# Altium PCB arm_v1.PcbDoc (continued)
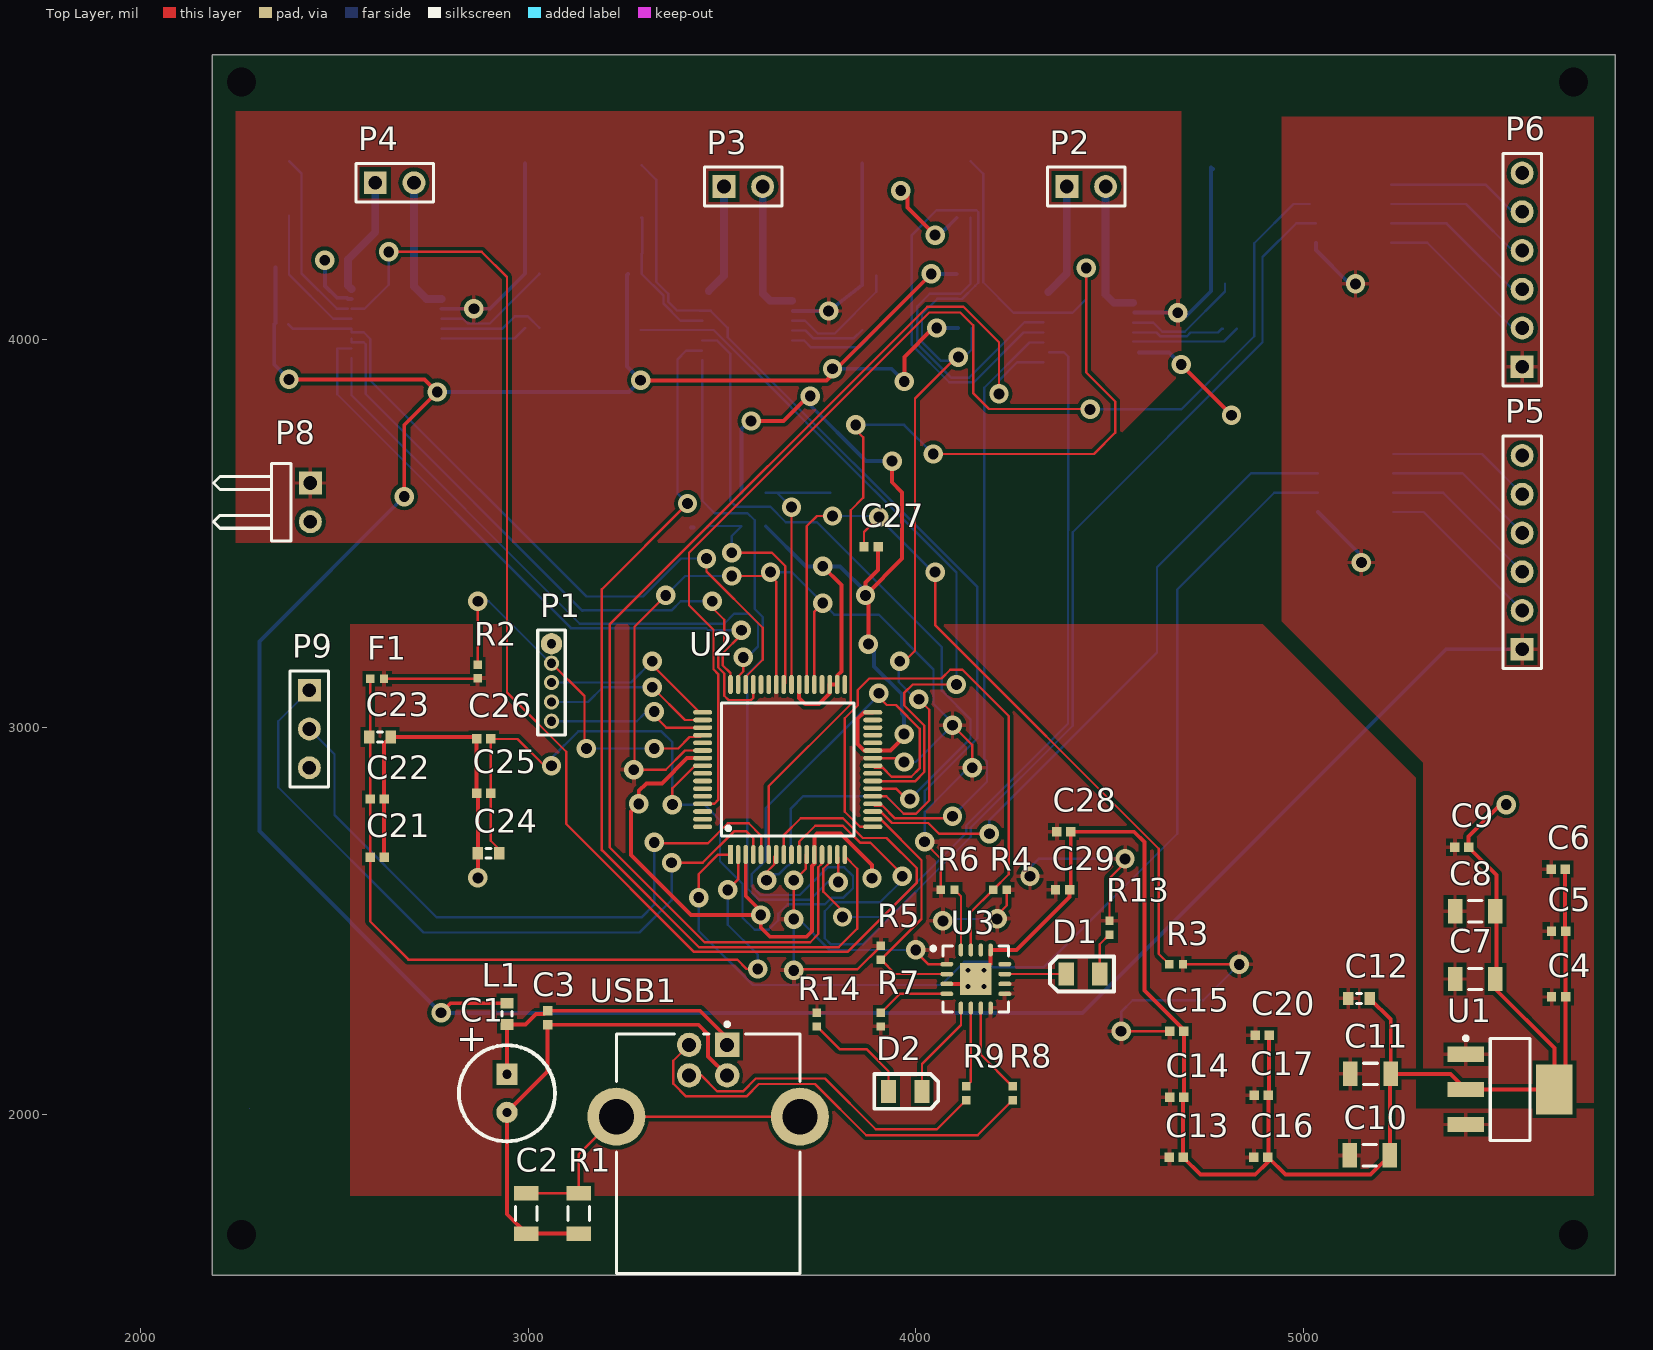
[diagram p0: Top Layer view]
## Part data
C1: library part 100uF_35v_6.3x12.5, "Capacitor 35v 100uF 6.3mm", Capacitance=100µF, ESR (Equivalent Series Resistance)=-, Lifetime @ Temp.="5000 Hrs @ 105°C", Manufacturer=Nichicon, Manufacturer Part Number=UHV1V101MED, Operating Temperature="-40°C ~ 105°C", Package / Case="Radial, Can", Ripple Current="220mA @ 120Hz", Supplier Part Number 1=493-13394-ND, Tolerance=±20%, Voltage Rating=35V, Applications="General Purpose", Category=Capacitors, ComponentLink1Description=http://nichicon-us.com/english/products/pdfs/e-uhv.pdf, ComponentLink1URL=http://nichicon-us.com/english/products/pdfs/e-uhv.pdf, Height - Seated (Max)="0.492\" (12.50mm)", Impedance="100 mOhm", Lead Spacing="0.098\" (2.50mm)", Mounting Type="Through Hole", Packaging=Bulk, Polarization=Polar, Pricing 1="1=0.46, 10=0.32, 25=0.262, 50=0.224, 100=0.1919, 250=0.15992, 500=0.14394, 1000=0.12155, 2500=0.11515 (CAD)", RoHS="RoHS Compliant", Size / Dimension="0.248\" Dia (6.30mm)", Stock 1=5561, Supplier 1=Digi-Key, Surface Mount Land Size=-
C2: library part 10nF_500V_1206, "CAP CER 10000PF 500V X7R 1206", Capacitance=10000pF, Manufacturer="Samsung Electro-Mechanics America, Inc", Manufacturer Part Number=CL31B103KGFNNNE, Operating Temperature="-55°C ~ 125°C", Package / Case="1206 (3216 Metric)", Ratings=-, Supplier Part Number 1=1276-3076-1-ND, Temperature Coefficient=X7R, Tolerance=±10%, Voltage - Rated=500V, Applications="General Purpose", Category=Capacitors, ComponentLink1Description=http://www.samsungsem.com/kr/front/downloadcms.do?path=/kr/support/product-search/mlcc/__icsFiles/afieldfile/2014/11/05&fileName=S_CL31B103KGFNNNE.pdf, ComponentLink1URL=http://www.samsungsem.com/kr/front/downloadcms.do?path=/kr/support/product-search/mlcc/__icsFiles/afieldfile/2014/11/05&fileName=S_CL31B103KGFNNNE.pdf, Features=-, Height - Seated (Max)=-, Lead Spacing=-, Lead Style=-, Mounting Type="Surface Mount, MLCC", Packaging="Cut Tape (CT)", Pricing 1="1=0.34, 10=0.28, 25=0.192, 100=0.1398, 500=0.09266, 1000=0.08216 (CAD)", RoHS="RoHS Compliant", Size / Dimension="0.126\" L x 0.063\" W (3.20mm x 1.60mm)", Stock 1=9075, Supplier 1=Digi-Key, Thickness (Max)="0.055\" (1.40mm)"
C3 C13 C16 C21: library part 10nF_50V_0402, "CAP CER 10000PF 50V 10% X7R 0402", Capacitance=10000pF, Manufacturer=Kemet, Manufacturer Part Number=C0402C103K5RACTU, Operating Temperature="-55°C ~ 125°C", Package / Case="0402 (1005 Metric)", Ratings=-, Supplier Part Number 1=399-3066-1-ND, Temperature Coefficient=X7R, Tolerance=±10%, Voltage - Rated=50V, Applications="General Purpose", Category=Capacitors, ComponentLink1Description=http://www.kemet.com/docfinder?Partnumber=C0402C103K5RACTU, ComponentLink1URL=http://www.kemet.com/docfinder?Partnumber=C0402C103K5RACTU, Features=-, Height - Seated (Max)=-, Lead Spacing=-, Lead Style=-, Mounting Type="Surface Mount, MLCC", Packaging="Cut Tape (CT)", Pricing 1="1=0.14, 10=0.037, 25=0.026, 50=0.0198, 100=0.0166, 250=0.01364, 1000=0.00893, 2500=0.00804, 5000=0.00744 (CAD)", RoHS="RoHS Compliant", Size / Dimension="0.039\" L x 0.020\" W (1.00mm x 0.50mm)", Stock 1=3556921, Supplier 1=Digi-Key, Thickness (Max)="0.022\" (0.55mm)"
C4 C14 C15 C17 C20 C22 C26 C27 C28 C29 C30 C31 C32 C33 C34 C35 C36 C37 C38 C39 C40 C41: library part 100nF_50V_0402, "CAP CER 100NF 50V 20% X5R 0402", Capacitance=0.1µF, Manufacturer="TDK Corporation", Manufacturer Part Number=C1005X5R1H104M050BB, Operating Temperature="-55°C ~ 85°C", Package / Case="0402 (1005 Metric)", Ratings=-, Supplier Part Number 1=445-5943-1-ND, Temperature Coefficient=X5R, Tolerance=±20%, Voltage - Rated=50V, Applications="General Purpose", Category=Capacitors, ComponentLink1Description=http://product.tdk.com/en/catalog/datasheets/mlcc_commercial_general_en.pdf, ComponentLink1URL=http://product.tdk.com/en/catalog/datasheets/mlcc_commercial_general_en.pdf, Features=-, Height - Seated (Max)=-, Lead Spacing=-, Lead Style=-, Mounting Type="Surface Mount, MLCC", Packaging="Cut Tape (CT)", Pricing 1="1=0.18, 10=0.122, 100=0.0579, 250=0.04872, 500=0.0408, 1000=0.03348, 5000=0.02831 (CAD)", RoHS="RoHS Compliant", Size / Dimension="0.039\" L x 0.020\" W (1.00mm x 0.50mm)", Stock 1=218263, Supplier 1=Digi-Key, Thickness (Max)="0.022\" (0.55mm)"
C5 C6: library part 2.2uF_10V_0402, "CAP CER 2.2UF 10V 20% X5R 0402", Capacitance=2.2µF, Manufacturer="Taiyo Yuden", Manufacturer Part Number=LMK105BJ225MV-F, Operating Temperature="-55°C ~ 85°C", Package / Case="0402 (1005 Metric)", Ratings=-, Supplier Part Number 1=587-3153-1-ND, Temperature Coefficient=X5R, Tolerance=±20%, Voltage - Rated=10V, Applications="General Purpose", Category=Capacitors, ComponentLink1Description=http://www.yuden.co.jp/ut/product/category/capacitor/LMK105BJ225MV-F.pdf, ComponentLink1URL=http://www.yuden.co.jp/ut/product/category/capacitor/LMK105BJ225MV-F.pdf, Features=-, Height - Seated (Max)=-, Lead Spacing=-, Lead Style=-, Mounting Type="Surface Mount, MLCC", Packaging="Cut Tape (CT)", Pricing 1="1=0.26, 10=0.173, 50=0.105, 100=0.0881, 250=0.07132, 500=0.0629, 1000=0.05348, 2500=0.04928, 5000=0.04509 (CAD)", RoHS="RoHS Compliant", Size / Dimension="0.039\" L x 0.020\" W (1.00mm x 0.50mm)", Stock 1=258065, Supplier 1=Digi-Key, Thickness (Max)="0.022\" (0.55mm)"
C7 C8 C10 C11: library part 100uF_6.3v_1206_X5R, "CAP CER 100UF 6.3V X5R 1206", Capacitance=100µF, Manufacturer="Murata Electronics North America", Manufacturer Part Number=GRM31CR60J107ME39L, Operating Temperature="-55°C ~ 85°C", Package / Case="1206 (3216 Metric)", Ratings=-, Supplier Part Number 1=490-4539-1-ND, Temperature Coefficient=X5R, Tolerance=±20%, Voltage - Rated=6.3V, Applications="General Purpose", Category=Capacitors, ComponentLink1Description=http://www.murata.com/~/media/webrenewal/support/library/catalog/products/capacitor/mlcc/c02e.pdf, ComponentLink1URL=http://www.murata.com/~/media/webrenewal/support/library/catalog/products/capacitor/mlcc/c02e.pdf, Features=-, Height - Seated (Max)=-, Lead Spacing=-, Lead Style=-, Mounting Type="Surface Mount, MLCC", Packaging="Cut Tape (CT)", Pricing 1="1=1.23, 10=1.048, 50=0.771, 100=0.6128, 250=0.51396, 500=0.46456, 1000=0.42502 (CAD)", RoHS="RoHS Compliant", Size / Dimension="0.126\" L x 0.063\" W (3.20mm x 1.60mm)", Stock 1=450179, Supplier 1=Digi-Key, Thickness (Max)="0.071\" (1.80mm)"
C9 C25: library part 1uF_25V_0402, "CAP CER 1UF 25V 10% X5R 0402", Capacitance=1µF, Manufacturer="TDK Corporation", Manufacturer Part Number=C1005X5R1E105K050BC, Operating Temperature="-55°C ~ 85°C", Package / Case="0402 (1005 Metric)", Ratings=-, Supplier Part Number 1=445-9066-1-ND, Temperature Coefficient=X5R, Tolerance=±10%, Voltage - Rated=25V, Applications="General Purpose", Category=Capacitors, ComponentLink1Description=http://product.tdk.com/en/catalog/datasheets/mlcc_commercial_general_en.pdf, ComponentLink1URL=http://product.tdk.com/en/catalog/datasheets/mlcc_commercial_general_en.pdf, Features=-, Height - Seated (Max)=-, Lead Spacing=-, Lead Style=-, Mounting Type="Surface Mount, MLCC", Packaging="Cut Tape (CT)", Pricing 1="1=0.27, 10=0.185, 100=0.0878, 250=0.074, 500=0.06196, 1000=0.05087, 5000=0.04301 (CAD)", RoHS="RoHS Compliant", Size / Dimension="0.039\" L x 0.020\" W (1.00mm x 0.50mm)", Stock 1=310467, Supplier 1=Digi-Key, Thickness (Max)="0.022\" (0.55mm)"
C12 C23: library part 10uF_10V_0603, "CAP CER 10UF 10V 20% X5R 0603", Capacitance=10µF, Manufacturer="Taiyo Yuden", Manufacturer Part Number=LMK107BBJ106MAHT, Operating Temperature="-55°C ~ 85°C", Package / Case="0603 (1608 Metric)", Ratings=AEC-Q200, Supplier Part Number 1=587-3412-1-ND, Temperature Coefficient=X5R, Tolerance=±20%, Voltage - Rated=10V, Applications=Automotive, Category=Capacitors, ComponentLink1Description=http://www.yuden.co.jp/productdata/catalog/en/mlcc01_hq_e.pdf, ComponentLink1URL=http://www.yuden.co.jp/productdata/catalog/en/mlcc01_hq_e.pdf, Features=-, Height - Seated (Max)=-, Lead Spacing=-, Lead Style=-, Mounting Type="Surface Mount, MLCC", Packaging="Cut Tape (CT)", Pricing 1="1=0.5, 10=0.437, 50=0.266, 100=0.2189, 250=0.17516, 500=0.15952, 1000=0.14107 (CAD)", RoHS="RoHS Compliant", Size / Dimension="0.063\" L x 0.031\" W (1.60mm x 0.80mm)", Stock 1=90195, Supplier 1=Digi-Key, Thickness (Max)="0.035\" (0.90mm)"
C18 C19: library part 13pF_50V_0402, "CAP CER 13PF 50V 5% NP0 0402", Manufacturer="Samsung Electro-Mechanics America, Inc", Manufacturer Part Number=CL05C130JB5NNNC, Operating Temperature="-55°C ~ 125°C", Package / Case="0402 (1005 Metric)", Ratings=-, Supplier Part Number 1=1276-1642-1-ND, Temperature Coefficient="C0G, NP0", Tolerance=±5%, Voltage - Rated=50V, Applications="General Purpose", Capacitance=13pF, Category=Capacitors, ComponentLink1Description=http://www.samsungsem.com/kr/front/downloadcms.do?path=/kr/support/product-search/mlcc/__icsFiles/afieldfile/2014/11/05&fileName=S_CL05C130JB5NNNC.pdf, ComponentLink1URL=http://www.samsungsem.com/kr/front/downloadcms.do?path=/kr/support/product-search/mlcc/__icsFiles/afieldfile/2014/11/05&fileName=S_CL05C130JB5NNNC.pdf, Features=-, Height - Seated (Max)=-, Lead Spacing=-, Lead Style=-, Mounting Type="Surface Mount, MLCC", Packaging="Cut Tape (CT)", Pricing 1="1=0.14, 10=0.064, 25=0.0448, 100=0.0291, 500=0.02032, 1000=0.01583, 2500=0.01425, 5000=0.01319 (CAD)", RoHS="RoHS Compliant", Size / Dimension="0.039\" L x 0.020\" W (1.00mm x 0.50mm)", Stock 1=16490, Supplier 1=Digi-Key, Thickness (Max)="0.022\" (0.55mm)"
C24: library part 2.2uF_35V_0603, "CAP CER 2.2UF 35V 10% X5R 0603", Capacitance=2.2µF, Manufacturer="Murata Electronics North America", Manufacturer Part Number=GRM188R6YA225KA12D, Operating Temperature="-55°C ~ 85°C", Package / Case="0603 (1608 Metric)", Ratings=-, Supplier Part Number 1=490-7204-1-ND, Temperature Coefficient=X5R, Tolerance=±10%, Voltage - Rated=35V, Applications="General Purpose", Category=Capacitors, ComponentLink1Description=http://www.murata.com/~/media/webrenewal/support/library/catalog/products/capacitor/mlcc/c02e.ashx, ComponentLink1URL=http://www.murata.com/~/media/webrenewal/support/library/catalog/products/capacitor/mlcc/c02e.ashx, Features=-, Height - Seated (Max)=-, Lead Spacing=-, Lead Style=-, Mounting Type="Surface Mount, MLCC", Packaging="Cut Tape (CT)", Pricing 1="1=0.31, 10=0.214, 50=0.1298, 100=0.109, 250=0.08832, 500=0.07792, 1000=0.06624 (CAD)", RoHS="RoHS Compliant", Size / Dimension="0.063\" L x 0.031\" W (1.60mm x 0.80mm)", Stock 1=55248, Supplier 1=Digi-Key, Thickness (Max)="0.031\" (0.80mm)"
D1 D2: library part "TOPLED 0803", "LED TOPLED 630NM SUP RED CLR SMD", Color=Red, Current - Test=2mA, Luminous Flux @ Current - Test="25 mlm", Manufacturer="OSRAM Opto Semiconductors Inc", Manufacturer Part Number="LS M67K-H2L1-1-Z", Millicandela Rating=8.78mcd, Package / Case="2-SMD, J-Lead", Supplier Part Number 1=475-2510-1-ND, Voltage - Forward (Vf) (Typ)=1.8V, Category=Optoelectronics, ComponentLink1Description=http://media.digikey.com/pdf/Data%20Sheets/Osram%20PDFs/LS,LO,LY_M67K.pdf, ComponentLink1URL=http://media.digikey.com/pdf/Data%20Sheets/Osram%20PDFs/LS,LO,LY_M67K.pdf, Height=1.30mm, Lens Style/Size="Rectangle with Flat Top, 1.5mm x 1mm", Lens Type=Clear, Mounting Type="Surface Mount", Packaging="Cut Tape (CT)", Pricing 1="1=0.19, 10=0.162, 100=0.1295, 250=0.11328, 500=0.10354 (CAD)", RoHS="RoHS Compliant", Size / Dimension="2.20mm L x 1.40mm W", Stock 1=23262, Supplier 1=Digi-Key, Viewing Angle=120°, Wavelength - Dominant=630nm, Wavelength - Peak=643nm
F1: library part 40O_550mA_0402, "FERRITE CHIP 40 OHM 550MA 0402", DC Resistance (DCR)="120 mOhm Max", Impedance @ Frequency="40 Ohm @ 100MHz", Manufacturer="TDK Corporation", Manufacturer Part Number=MMZ1005Y400CT000, Package / Case="0402 (1005 Metric)", Supplier Part Number 1=445-2150-1-ND, Category=Filters, ComponentLink1Description=http://product.tdk.com/emc/beads/en/documents/beads_commercial_signal_mmz_en.pdf, ComponentLink1URL=http://product.tdk.com/emc/beads/en/documents/beads_commercial_signal_mmz_en.pdf, Current Rating=550mA, Filter Type="Differential Mode - Single", Height (Max)="0.022\" (0.55mm)", Mounting Type="Surface Mount", Packaging="Cut Tape (CT)", Pricing 1="1=0.14, 10=0.099, 100=0.059, 250=0.04284, 500=0.03928, 1000=0.03393, 5000=0.02679 (CAD)", RoHS="RoHS Compliant", Size / Dimension="0.039\" L x 0.020\" W (1.00mm x 0.50mm)", Stock 1=1706, Supplier 1=Digi-Key
L1: library part "Ferrite_200 ohms_2A", "FILTER CHIP 220 OHM 2A 0603", Current Rating=2A, DC Resistance (DCR)="50 mOhm Max", Impedance @ Frequency="220 Ohm @ 100MHz", Manufacturer="Murata Electronics North America", Manufacturer Part Number=BLM18EG221SN1D, Package / Case="0603 (1608 Metric)", Supplier Part Number 1=490-3992-1-ND, Category=Filters, ComponentLink1Description=http://search.murata.co.jp/Ceramy/image/img/PDF/ENG/L0110S0101BLM18E.pdf, ComponentLink1URL=http://search.murata.co.jp/Ceramy/image/img/PDF/ENG/L0110S0101BLM18E.pdf, Filter Type="Differential Mode - Single", Height (Max)="0.037\" (0.95mm)", Mounting Type="Surface Mount", Packaging="Cut Tape (CT)", Pricing 1="1=0.33, 10=0.254, 50=0.1814, 100=0.1632, 250=0.13784, 500=0.12332, 1000=0.10519 (CAD)", RoHS="RoHS Compliant", Size / Dimension="0.063\" L x 0.031\" W (1.60mm x 0.80mm)", Stock 1=382631, Supplier 1=Digi-Key
P1: "Header, 5-Pin", LatestRevisionDate=17-Jul-2002, LatestRevisionNote="Re-released for DXP Platform.", Publisher="Altium Limited"
P2 P3 P4: library part "Header 2", "Header, 2-Pin", LatestRevisionDate=17-Jul-2002, LatestRevisionNote="Re-released for DXP Platform.", Publisher="Altium Limited"
P5 P6: library part "Header 6", "Header, 6-Pin", LatestRevisionDate=17-Jul-2002, LatestRevisionNote="Re-released for DXP Platform.", Publisher="Altium Limited"
P8: library part "Header 2H", "Header, 2-Pin, Right Angle", LatestRevisionDate=17-Jul-2002, LatestRevisionNote="Re-released for DXP Platform.", Publisher="Altium Limited"
P9: "Header, 3-Pin", LatestRevisionDate=17-Jul-2002, LatestRevisionNote="Re-released for DXP Platform.", Publisher="Altium Limited"
R1: library part 1M_5%_1206, "RES SMD 1M OHM 5% 1/4W 1206", Manufacturer="Panasonic Electronic Components", Manufacturer Part Number=ERJ-8GEYJ105V, Operating Temperature="-55°C ~ 155°C", Package / Case="1206 (3216 Metric)", Power (Watts)="0.25W, 1/4W", Supplier Device Package=1206, Supplier Part Number 1=P1.0MECT-ND, Temperature Coefficient=±200ppm/°C, Tolerance=±5%, Category=Resistors, ComponentLink1Description=http://industrial.panasonic.com/www-cgi/jvcr13pz.cgi?E+PZ+3+AOA0001+ERJ8GEYJ105V+7+WW, ComponentLink1URL=http://industrial.panasonic.com/www-cgi/jvcr13pz.cgi?E+PZ+3+AOA0001+ERJ8GEYJ105V+7+WW, Composition="Thick Film", Features="Automotive AEC-Q200", Height="0.028\" (0.70mm)", Number of Terminations=2, Packaging="Cut Tape (CT)", Pricing 1="1=0.14, 50=0.038, 100=0.029, 250=0.02152, 500=0.01588, 1000=0.01059, 2500=0.00894 (CAD)", Resistance (Ohms)=1M, RoHS="RoHS Compliant", Size / Dimension="0.126\" L x 0.063\" W (3.20mm x 1.60mm)", Stock 1=165352, Supplier 1=Digi-Key
R2 R3 R4 R5 R6 R7: library part 10k_1%_0402, "RES SMD 10K OHM 1% 1/10W 0402", Manufacturer="Panasonic Electronic Components", Manufacturer Part Number=ERJ-2RKF1002X, Operating Temperature="-55°C ~ 155°C", Package / Case="0402 (1005 Metric)", Power (Watts)="0.1W, 1/10W", Supplier Device Package=0402, Supplier Part Number 1=P10.0KLCT-ND, Temperature Coefficient=±100ppm/°C, Tolerance=±1%, Category=Resistors, ComponentLink1Description=http://industrial.panasonic.com/www-cgi/jvcr13pz.cgi?E+PZ+3+AOA0002+ERJ2RKF1002X+7+WW, ComponentLink1URL=http://industrial.panasonic.com/www-cgi/jvcr13pz.cgi?E+PZ+3+AOA0002+ERJ2RKF1002X+7+WW, Composition="Thick Film", Features="Automotive AEC-Q200", Height="0.016\" (0.40mm)", Number of Terminations=2, Packaging="Cut Tape (CT)", Pricing 1="1=0.14, 50=0.0282, 100=0.0215, 250=0.01592, 500=0.01176, 1000=0.00784, 5000=0.00551 (CAD)", Resistance (Ohms)=10k, RoHS="RoHS Compliant", Size / Dimension="0.039\" L x 0.020\" W (1.00mm x 0.50mm)", Stock 1=5818216, Supplier 1=Digi-Key
R8 R9: library part 27_1%_0402, "RES SMD 27 OHM 1% 1/10W 0402", Manufacturer="Panasonic Electronic Components", Manufacturer Part Number=ERJ-2RKF27R0X, Operating Temperature="-55°C ~ 155°C", Package / Case="0402 (1005 Metric)", Power (Watts)="0.1W, 1/10W", Supplier Device Package=0402, Supplier Part Number 1=P27.0LCT-ND, Temperature Coefficient=±100ppm/°C, Tolerance=±1%, Category=Resistors, ComponentLink1Description=http://industrial.panasonic.com/www-cgi/jvcr13pz.cgi?E+PZ+3+AOA0002+ERJ2RKF27R0X+7+WW, ComponentLink1URL=http://industrial.panasonic.com/www-cgi/jvcr13pz.cgi?E+PZ+3+AOA0002+ERJ2RKF27R0X+7+WW, Composition="Thick Film", Features="Automotive AEC-Q200", Height="0.016\" (0.40mm)", Number of Terminations=2, Packaging="Cut Tape (CT)", Pricing 1="1=0.16, 50=0.0234, 100=0.0171, 250=0.01308, 500=0.01048, 1000=0.00771, 5000=0.00553 (CAD)", Resistance (Ohms)=27, RoHS="RoHS Compliant", Size / Dimension="0.039\" L x 0.020\" W (1.00mm x 0.50mm)", Stock 1=490131, Supplier 1=Digi-Key
R13 R14: library part 120_1%_0402, "RES SMD 120 OHM 1% 1/10W 0402", Manufacturer="Panasonic Electronic Components", Manufacturer Part Number=ERJ-2RKF1200X, Operating Temperature="-55°C ~ 155°C", Package / Case="0402 (1005 Metric)", Power (Watts)="0.1W, 1/10W", Supplier Device Package=0402, Supplier Part Number 1=P120LCT-ND, Temperature Coefficient=±100ppm/°C, Tolerance=±1%, Category=Resistors, ComponentLink1Description=http://industrial.panasonic.com/www-cgi/jvcr13pz.cgi?E+PZ+3+AOA0002+ERJ2RKF1200X+7+WW, ComponentLink1URL=http://industrial.panasonic.com/www-cgi/jvcr13pz.cgi?E+PZ+3+AOA0002+ERJ2RKF1200X+7+WW, Composition="Thick Film", Features="Automotive AEC-Q200", Height="0.016\" (0.40mm)", Number of Terminations=2, Packaging="Cut Tape (CT)", Pricing 1="1=0.14, 50=0.0282, 100=0.0215, 250=0.01592, 500=0.01176, 1000=0.00784, 5000=0.00551 (CAD)", Resistance (Ohms)=120, RoHS="RoHS Compliant", Size / Dimension="0.039\" L x 0.020\" W (1.00mm x 0.50mm)", Stock 1=184236, Supplier 1=Digi-Key
R15 R16 R17 R18 R19 R20 R21 R22 R23 R24 R25 R26: library part 0_0402, "RES SMD 0 OHM JUMPER 1/16W 0402", Manufacturer=Yageo, Manufacturer Part Number=RC0402FR-070RL, Operating Temperature="-55°C ~ 155°C", Package / Case="0402 (1005 Metric)", Power (Watts)="0.063W, 1/16W", Supplier Device Package=0402, Supplier Part Number 1=311-0.0LRCT-ND, Temperature Coefficient=-, Tolerance=Jumper, Category=Resistors, ComponentLink1Description=http://www.yageo.com/documents/recent/PYu-RC_Group_51_RoHS_L_8.pdf, ComponentLink1URL=http://www.yageo.com/documents/recent/PYu-RC_Group_51_RoHS_L_8.pdf, Composition="Thick Film", Failure Rate=-, Features="Moisture Resistant", Height - Seated (Max)="0.016\" (0.40mm)", Packaging="Cut Tape (CT)", Part Status=Active, Pricing 1="1=0.14, 10=0.017, 25=0.012, 50=0.009, 100=0.0068, 250=0.00516, 500=0.00414, 1000=0.00305, 5000=0.00219 (CAD)", RoHS="RoHS Compliant", Size / Dimension="0.039\" L x 0.020\" W (1.00mm x 0.50mm)", Stock 1=548262, Supplier 1=Digi-Key
U1: "500 mA, Low Voltage, Low Quiescent Current LDO Regulator", Current - Limit (Min)=-, Current - Output=500mA, Manufacturer="Microchip Technology", Operating Temperature="-40°C ~ 125°C", Package / Case="TO-261-4, TO-261AA", Supplier Device Package=SOT-223-3, Supplier Part Number 1=MCP1825S-3302E/DB-ND, Voltage - Dropout (Typical)="0.21V @ 500mA", Voltage - Input="Up to 6V", Voltage - Output=3.3V, Category="Integrated Circuits (ICs)", ComponentLink1Description=http://www.microchip.com/mymicrochip/filehandler.aspx?ddocname=en531698, ComponentLink1URL=http://www.microchip.com/mymicrochip/filehandler.aspx?ddocname=en531698, Manufacturer Part Number=MCP1825S-3302E/DB, Mounting Type="Surface Mount", Number of Regulators=1, Packaging=Tube, Pricing 1="1=0.61, 10=0.51, 25=0.43, 100=0.39 (USD)", Regulator Topology="Positive Fixed", RoHS="RoHS Compliant", Stock 1=5172, Supplier 1=Digi-Key
U2: "Tiva TM4C123GH6PM Microcontroller ARM Cortex 80 MHz FPU", Supplier Part Number 1=296-35848-ND, Supplier 1=Digi-Key
U3: library part FT230XQ-R, "IC USB SERIAL BASIC UART 16QFN", Current - Supply=8mA, Manufacturer="FTDI, Future Technology Devices International Ltd", Operating Temperature="-40°C ~ 85°C", Package / Case="16-WQFN Exposed Pad", Supplier Device Package="16-QFN (4x4)", Supplier Part Number 1=768-1130-1-ND, Voltage - Supply="3.3 V ~ 5 V", Category="Integrated Circuits (ICs)", ComponentLink1Description=http://www.ftdichip.com/Support/Documents/DataSheets/ICs/DS_FT230X.pdf, ComponentLink1URL=http://www.ftdichip.com/Support/Documents/DataSheets/ICs/DS_FT230X.pdf, Function="Bridge, USB to UART", Interface=UART, Manufacturer Part Number=FT230XQ-R, Packaging="Cut Tape (CT)", Pricing 1="1=2.64, 25=2.5508, 100=2.4601, 250=2.21412, 500=1.994, 1000=1.89042, 2500=1.86128 (CAD)", Protocol=USB, RoHS="RoHS Compliant", Standards="USB 2.0", Stock 1=7567, Supplier 1=Digi-Key
U4 U5 U6: library part DRV8876QPWPRQ1, "No Description Available", Built_By=EMA_Matt, Copyright="Copyright (C) 2018 Accelerated Designs. All rights reserved", Datasheet=https://www.ti.com/lit/ds/symlink/drv8876-q1.pdf?ts=1593552747152&ref_url=https%253A%252F%252Fwww.ti.com%252Fproduct%252FDRV8876-Q1, Manufacturer_Part_Number=DRV8876QPWPRQ1, RefDes=RefDes, SourceLibrary=TI_2020-07-01, Type=DEV, Vendor="Texas Instruments"
U7 U8: library part SN75LBC179D, "Low-Power Differential Line Driver And Receiver Pair", Manufacturer="Texas Instruments", PACKAGE_DESIGNATOR=D, Copyright="Copyright (C) 2018 Accelerated Designs. All rights reserved", Datasheet_URL=http://www.ti.com/lit/gpn/SN75LBC179, FAMILY_NAME=RS-485, GENERIC_PART_NUMBER=SN75LBC179, INDUSTRY_STD_PKG_TYPE=SOIC, Manufacturer_Part_Number=SN75LBC179D, PIN_COUNT=8, RefDes=RefDes, Type=DEV, Vendor="Texas Instruments"
USB1: library part "MOLEX 0670688010", Supplier Part Number 1=WM4064-ND, Supplier 1=Digi-Key
X1: library part 403C35E16M00000, "CRYSTAL 16MHZ 20PF SMD", ESR (Equivalent Series Resistance)="80 Ohm", Frequency=16MHz, Frequency Stability=±50ppm, Frequency Tolerance=±30ppm, Load Capacitance=20pF, Manufacturer="CTS-Frequency Controls", Operating Mode=Fundamental, Operating Temperature="-20°C ~ 70°C", Package / Case="4-SMD, No Lead (DFN, LCC)", Ratings=-, Supplier Part Number 1=CTX1293CT-ND, Category="Crystals and Oscillators", ComponentLink1Description=http://www.ctscorp.com/components/Datasheets/008-0288-0_F.pdf, ComponentLink1URL=http://www.ctscorp.com/components/Datasheets/008-0288-0_F.pdf, Height="0.031\" (0.80mm)", Manufacturer Part Number=403C35E16M00000, Mounting Type="Surface Mount", Packaging="Cut Tape (CT)", Pricing 1="1=1.07, 10=0.95, 50=0.8866, 100=0.7847, 500=0.7415, 750=0.70228, 1000=0.61988 (CAD)", RoHS="RoHS Compliant", Size / Dimension="0.126\" L x 0.098\" W (3.20mm x 2.50mm)", Stock 1=7029, Supplier 1=Digi-Key, Type="MHz Crystal"

## Free pads (board coordinates)
  round 60 hole 75: 2(2260,4665) 3(2260,1690) 4(5697.91,4665) 5(5697.91,1690)

## Via types
v1: diameter 50, hole 28, Top Layer to Bottom Layer, 91 vias

## Nets (pads, with @x,y where several pads share a name; then routed paths per layer and width w, separated by ;. In a path a pad name is that pad's centre, name@x,y a point inside that pad or via, vN(x,y) a via of type N, cw(c..) or ccw(c..) an arc to the next point about the centre after c; other vN are vias at no path point)
+3.3V: C10.1 C11.1 C12.1 C13.2 C14.2 C15.2 C16.2 C17.2 C20.2 C28.2 C29.2 F1.1 R2.1 R3.1 R4.2 R5.2 R6.2 R7.2 R13.2 R14.2 U1.3 U2.11 U2.26 U2.37 U2.42 U2.54 U3.1 U3.8 U3.9 U3.10 | length 5585.9
  Top Layer w6: F1.1 2868.68,3124.48 R2.1 ; v1(3272.35,2889.99) v1@3273.99,2889.99 ; v1(3355,3340) 3273.99,3258.99 v1@3273.99,2889.99 ; U2.54 3404.72,2939.72 3354.99,2889.99 v1@3273.99,2889.99 ; v1(3525,3390) 3615,3390 v1@3620,3395 ; v1(3625,3400) v1@3620,3395 ; U2.42 3640,3375 v1@3620,3395 ; v1(3685.07,2372.33) 3685.07,2375.07 3849.64,2375.07 R5.2 ; v1(3685.07,2504.53) v1(3685.07,2604.93) ; v1@3700,2604 3700,2617.99 3716.07,2634.06 3716.07,2671.02 U2.11 ; U2.37 3738.43,3298.43 v1(3760,3320) ; U2.26 3980.04,2920.04 v1(3970,2910) ; v1@3997.5,2422.5 4031.61,2388.39 U3.1 ; v1(4023,2704.06) 4023,2702 4064.57,2660.43 R6.2 ; v1(4095,3005) 4145.78,2954.22 v1(4145.78,2895.19) ; v1(4210,2505) 4210,2515 4235,2540 R4.2 ; R13.2 4500,2610 4540,2650 v1(4540,2660) ; v1(4530,2215) C15.2 ; R3.1 v1(4835,2387.8)
  Bottom Layer w6: v1(3355,3340) 3405.04,3390.04 3516.96,3390.04 3525,3382 v1(3525,3390) ; v1(3625,3400) 3680,3400 v1(3760,3320) 3790,3290 3905,3290 4046,3149 4046,3060.32 4095,3011.32 v1(4095,3005) 4000,2910 v1(3970,2910) ; v1(3685.07,2372.33) v1(3685.07,2504.53) 3697.97,2504.53 3777.5,2425 v1(4000,2425) ; v1(4023,2704.06) 4023,2781.77 4136.42,2895.19 v1(4145.78,2895.19) ; v1(4070,2500) 4075,2505 v1(4210,2505) ; v1(4295,2615) 4295,2638 4317,2660 v1(4540,2660) ; v1(4530,2215) 4530,2265 4560,2295 4742.2,2295 v1(4835,2387.8)
+5V: C4.2 C5.2 C6.2 C7.1 C8.1 C9.2 L1.2 P5.1 P6.1 R15.2 R17.1 R19.1 R21.1 R23.1 R25.1 U1.1 U7.1 U8.1 | length 8550.4
  Top Layer w10: v1(2382.72,3897.28) 2732.72,3897.28 v1(2765,3865) 2680,3780 v1(2680,3595) ; v1(2775,2262.72) 2799.84,2287.56 L1.2 ; v1(3290,3895) 3770,3895 3785,3910 v1(3785,3925) 3795.43,3925 v1(4040,4169.57) ; v1(3970.5,3892) 3970.5,3955.5 4045,4030 v1(4054.24,4030)
  Bottom Layer w10: R25.1 2347.29,4042.72 R23.1 2344.57,3935.43 v1(2382.72,3897.28) ; v1(2680,3595) 2306.26,3221.26 2306.26,2731.45 v1(2775,2262.72) 4430.08,2262.72 5368.37,3201.01 P5.1 ; v1(2765,3865) 3260,3865 v1(3290,3895) 3254.57,3930.43 R19.1 3254.57,4166.45 R21.1 ; v1(3785,3925) 3937.5,3925 v1(3970.5,3892) ; v1(4040,4169.57) 4040.16,4169.41 R17.1 ; v1(4054.24,4030) R15.2 ; U8.1 5033,4231 5120,4144 v1(5135,4144) ; U7.1 5143,3450
  other v1: 5150,3425
+24V: C31.2 C32.2 C33.2 C35.2 C36.2 C37.2 C39.2 C40.2 C41.2 P8.1 U4.11 U5.11 U6.11 | length 1602.3
  Bottom Layer w10: U6.11 v1(2859.57,4079.57) 2901.46,4079.57 C39.2 C40.2 C41.2 ; U5.11@3683.4,4074 v1(3775,4074) 3861.89,4140.87 C35.2 C36.2 C37.2 ; U4.11@4564.11,4069.57 v1(4676.25,4069.57) 4696.89,4060 4761.89,4125 4761.89,4145 C33.2@4761.89,4440 ; C33.2 C33.2@4766.89,4440
+A3.3V: C21.2 C22.2 C23.2 F1.2 U2.2 | length 2015.1
  Top Layer w6: F1.2 2592.28,2976.88 2591.89,2976.49 C22.2 C21.2 2591.89,2498.78 2690.67,2400 3539.43,2400 3563.56,2375.86 v1(3592.12,2375.86) ; v1(3515,2580) 3541.57,2606.57 U2.2
  Bottom Layer w6: v1(3515,2580) 3515,2490 3592.12,2412.88 v1(3592.12,2375.86)
CLK1_A: P5.4 U7.6 | length 396.8
  Bottom Layer w6: U7.6 5411.01,3655 P5.4
CLK1_B: P6.4 U8.6 | length 398.1
  Bottom Layer w6: U8.6 5420,4350 P6.4@5565,4205
CLK2_A: P5.5 U7.5 | length 376.1
  Bottom Layer w6: U7.5 5461.01,3705 P5.5
CLK2_B: P6.5 U8.5 | length 377.4
  Bottom Layer w6: U8.5 5470,4400 P6.5@5565,4305
CLK_A: U2.19 U7.3 | length 1722.2
  Top Layer w6: U2.19 3909.11,2782.24 3938.88,2752.48 4032.52,2752.48 4060,2725 v1(4190,2725)
  Bottom Layer w6: v1(4190,2725) 4179.48,2725 4190,2735.52 4190,2760 4622.65,3192.65 4622.65,3412.65 4865,3655 U7.3
CLK_B: U2.61 U8.3 | length 3137.8
  Top Layer w6: U2.61 3480,2801.93 3490,2811.93 3490,3137.32 3478,3149.32 3478,3251.26 3415,3314.26 3415,3450 4035,4070 4115,4070 4148,4037 4148,3862 4189,3821 v1@4450,3821
  Bottom Layer w6: v1(4450,3820) 4685,3820 4873.82,4008.82 4873.82,4248.82 4975,4350 U8.3@5017,4350
DATA1_A: P5.2 U7.8 | length 438.2
  Bottom Layer w6: U7.8 5311.01,3555 P5.2
DATA1_B: P6.2 U8.8 | length 439.5
  Bottom Layer w6: U8.8 5320,4250 P6.2@5565,4005
DATA2_A: P5.3 U7.7 | length 417.5
  Bottom Layer w6: U7.7 5361.01,3605 P5.3
DATA2_B: P6.3 U8.7 | length 418.8
  Bottom Layer w6: U8.7 5370,4300 P6.3@5565,4105
DATA_A: U2.1 U7.2 | length 2812.6
  Top Layer w6: v1(3440,2560) 3440,2621 3490.02,2671.02 U2.1
  Bottom Layer w6: v1(3440,2560) 3440,2474.24 3579.91,2334.33 4065.58,2334.33 4125.57,2394.32 4185.29,2394.32 4199.61,2380 4330,2380 4675,2725 4675,3355 4925,3605 U7.2
DATA_B: U2.10 U8.2 | length 3166.2
  Top Layer w6: U2.10 3699.06,2704.06 3740.71,2745.71 3812.42,2745.71 3856.13,2702 3882.74,2702 3965,2619.74 v1(3965,2615)
  Bottom Layer w6: v1(3965,2615) 3965,2605 3908,2548 3788,2548 3765,2525 3765,2455 3780,2440 3865,2440 4142,2717 4142,2740.74 4405,3003.74 4405,3503 4895,3993 4895,4213 4982,4300 U8.2
DM: R8.1 USB1.2 | length 1112
  Top Layer w6: USB1.2 3374,2139 3374,2080 3407,2047 3563,2047 3595,2079 3740,2079 3872,1947 4159.72,1947 R8.1
DP: R9.1 USB1.3 | length 831.2
  Top Layer w6: USB1.3 3446.74,2101.26 3488,2060 3554,2060 3587,2093 3766,2093 3897,1962 4054.72,1962 R9.1
GND: C1.2 C2.1 C3.1 C4.1 C5.1 C6.1 C7.2 C8.2 C9.1 C10.2 C11.2 C12.2 C13.1 C14.1 C15.1 C16.1 C17.1 C18.1 C19.1 C20.1 C21.1 C22.1 C23.1 C24.1 C25.1 C26.1 C27.1 C28.1 C29.1 C32.1 C33.1 C36.1 C37.1 C40.1 C41.1 P1.1 P5.6 P6.6 P8.2 P9.3 R1.1 R16.2 R18.2 R20.2 R22.2 R24.2 R26.2 U1.2 U1.4 U2.3 U2.12 U2.27 U2.32 U2.34 U2.35 U2.39 U2.55 U3.3 U3.13 U3.17 U4.7 U4.9 U4.15 U4.16 U5.7 U5.9 U5.15 U5.16 U6.7 U6.9 U6.15 U6.16 U7.4 U8.4 USB1.4 X1.2 X1.4 | length 12084
  Top Layer w10: C21.1 C22.1 2628.11,2957.59 C23.1 2861.89,2974.48 C26.1 C25.1 2869.88,2826.49 C24.1 v1(2869.88,2610.92) ; R1.1 C2.1 2945,1742.84 C1.2 2945,2006.27 3050,2111.27 C3.1 3439.06,2231.89 3464.21,2206.74 3464.21,2150.47 USB1.4 ; U2.55 3410.04,2920.04 3345,2855 3305,2855 3285,2835 v1(3285,2801.93) 3265,2781.93 3265,2670 3420,2515 v1(3600,2515) ; U2.3 3561.26,2563.74 3600,2525 v1(3600,2515) ; v1(3575,3790) 3659.14,3790 3723.24,3854.1 v1(3727.72,3854.1) ; U2.39 3699.06,3075.63 3714.69,3060 3750.72,3060 3777.8,3087.08 U2.35 U2.34 3797.48,3132.92 3808.31,3143.75 3808.31,3366.69 v1(3760,3415) ; v1(3877.86,3214.1) 3877.86,3332.45 v1(3870.32,3340) ; v1(3887,2610) 3887,2644.06 3806.06,2725 3745,2725 3738.43,2718.43 U2.12 3738.43,2648.1 3732.07,2641.75 3732.07,2473.31 3717.86,2459.1 3623.67,2459.1 3600,2482.77 v1(3600,2515) ; U2.32 3866.09,3038.15 3849.64,3021.7 3849.64,2956.18 3866.09,2939.72 U2.27 3935.24,2939.72 3970,2974.48 v1(3970,2982) ; C27.1 3902.72,3405.72 3870,3373 3870.32,3372.68 v1(3870.32,3340) ; v1(3938.88,3686.41) 3938.88,3631.99 3965,3605.86 3965,3434.68 v1(3870.32,3340) ; v1@3978.83,4384.68 3978.83,4340.76 v1(4050,4269.59) ; U3.3 4128.08,2337.2 U3.17@4134.68,2330.6 ; U3.17@4155,2350 4193.39,2388.39 U3.13 4259.8,2424.8 4396.89,2561.89 C29.1 4400,2583.11 C28.1 4563.43,2730 4590,2703.43 4590,2320.67 4691.93,2218.75 C15.1 C14.1 4690.04,2043.11 C13.1 4735.04,1845 4876.19,1845 4908.82,1877.63 C16.1 ; v1(4685,3935.81) 4815,3805.81 v1(4815,3805) ; C20.1 4911.93,2051.89 C17.1 4910.04,1891.22 C16.1 ; C12.2 5225.98,2245.39 C11.2 ; v1(5523.82,2800) 5508.82,2800 5426.93,2718.11 C9.1 5498.82,2618.11 5498.82,2320.87 5647.99,2171.69 U1.4 ; C6.1 5675.71,2471.22 5676.93,2470 C4.1 5676.93,2093.94 U1.4 ; C16.1 4953.82,1845 5173.82,1845 C10.2 5223.82,2102.83 C11.2 ; C11.2 5379.64,2105 U1.2 U1.4
  Bottom Layer w10: v1(2475,4205) 2475,4138.89 2505.94,4107.95 2532.34,4107.95 2535.13,4105.16 U6.7 ; C19.1@3419.26,3515 C19.1 ; X1.4 3550,3770 3570,3790 v1(3575,3790) ; X1.2 3716.38,3415 v1@3750,3415 ; v1(3727.72,3854.1) 3727.72,3845.98 3720,3838.26 3871.85,3686.41 v1(3938.88,3686.41) v1@3916.72,3686.41 ; v1(3760,3415) 3805,3415 3870.32,3349.68 v1(3870.32,3340) ; v1(3877.86,3214.1) 3892.18,3199.78 3892.18,3156.89 3963.84,3085.23 3963.84,3035 3970,3028.84 v1(3970,2982) ; v1@4044.87,4275 4066.45,4275 R18.2 ; U4.15 4653.61,3967.2 v1(4685,3935.81)
  other v1: 3961.36,4384.68
IN1_A: U2.13 U4.1 | length 3116.7
  Top Layer w6: U2.13 3758.11,2647.99 3748.56,2638.44 3748.56,2466.06 3727.5,2445 3455,2445 3210,2690 3210,3265 4030,4085 4123.29,4085 4214.79,3993.5 v1(4214.79,3860)
  Bottom Layer w6: v1(4214.79,3860) 4214.79,3894.79 4261.61,3941.61 U4.1@4328.75,3941.61
IN1_B: U2.15 U5.1 | length 1837.1
  Top Layer w6: U2.15 3795,2668.54 3800,2663.54 v1(3800,2600) 3800,2598.28 v1@3803.28,2595
  Bottom Layer w6: U5.1@3449,3946.61 3449,3584 3481,3552 3566,3552 3584.31,3533.69 3584.31,3304.66 3605,3283.97 3605,3176.26 3565,3136.26 3565,2584.29 3594.36,2554.93 3727.93,2554.93 3773,2600 v1@3797.48,2600
IN1_C: U2.47 U6.1 | length 1596.4
  Top Layer w6: U2.47 3540,3111.57 3540,3128.52 3555,3143.52 v1(3555,3180)
  Bottom Layer w6: U6.1 2543.75,3856.25 3133,3267 3505.74,3267 3531.74,3293 3568.26,3293 3593,3268.26 3593,3208 3565,3180 v1(3555,3180)
IN2_A: U2.14 U4.2 | length 1990.4
  Top Layer w6: U2.14 3777.8,2650.7 3761.47,2634.38 3761.47,2575.49 3811,2525.97 v1(3811,2510)
  Bottom Layer w6: v1(3811,2510) 3913.74,2510 4130,2726.26 4130,2745.71 4393,3008.71 4393,3507.97 4393.39,3508.36 4393.39,3956.61 4382.8,3967.2 U4.2
IN2_B: U2.16 U5.2 | length 2427.9
  Top Layer w6: v1(3411,3577) 3190,3356 3190,2682.64 3440.64,2432 3801,2432 3849,2480 3849,2634.74 3817.17,2666.57 U2.16
  Bottom Layer w6: v1(3411,3577) 3385,3603 3385,3949 3407.2,3971.2 U5.2@3448.11,3971.2
IN2_C: U2.48 U6.2 | length 1619.3
  Top Layer w6: U2.48 3521.89,3139.37 3502,3159.26 3502,3190.74 3550,3238.74 v1(3550,3250)
  Bottom Layer w6: U6.2 2507,3977.21 2507,3859 3110.5,3255.5 3110,3255 3459.29,3255 3464.29,3250 v1(3550,3250)
IPROPI_A: R16.1 U2.6 U4.6 | length 3116.4
  Top Layer w6: U2.6 3620.32,2847.32 3832,3059 3832,3085.05 3832.07,3085.13 3832.07,3134.87 3832,3134.95 3832,3559.74 3864.14,3591.88 3864.14,3747.86 3845,3767 v1(3845,3780) ; v1(4045,3705) 4460,3705 4515,3760 4515,3840 4440,3915 v1(4440,4185)
  Bottom Layer w6: v1(3845,3780) 3970,3780 v1(4045,3705) ; R16.1 4174,4427.73 4174,4148 4252.44,4069.57 U4.6 4404.56,4069.57 4440,4105 v1(4440,4185)
IPROPI_B: R20.1 U2.7 U5.6 | length 2834.4
  Top Layer w6: v1@3630,2605 3620,2595 3615,2600 v1(3615,2605) 3615,2614.2 3609.14,2620.06 3635.22,2646.15 3635.22,2666.25 U2.7
  Bottom Layer w6: R20.1 3330,4412.72 3330,4149.65 3361,4118.65 3361,4098.15 3384.15,4075 3441.68,4075 3442.11,4074.57 U5.6 3470.64,4074.57 3514.46,4030.75 3514.46,4006.25 4159.01,3361.7 4159.01,2971.52 4023,2835.51 4023,2798.74 4000.74,2776.48 3969.26,2776.48 3923.74,2822 3709.76,2822 3677.82,2790.06 3677.82,2648.82 3671.93,2642.93 3669.33,2642.93 3647.07,2620.67 3631.67,2620.67 3615,2604 v1(3615,2605)
IPROPI_C: R24.1 U2.8 U6.6 | length 4092.2
  Top Layer w6: v1(2640,4226.47) 2880.16,4226.47 2945,4161.63 2945,3089.43 3098,2936.43 3098,2750 3428,2420 3823.74,2420 4003,2599.26 4003,2635.74 3924.74,2714 3863.07,2714 3812.07,2765 3702.96,2765 3659.69,2721.72 U2.8
  Bottom Layer w6: R24.1 2415,4428.9 2415,4170.87 2505.87,4080 U6.6@2534.16,4080 ; U6.6 2577.57,4079.57 2639.84,4141.84 2640,4141.68 v1(2640,4226.47)
N/C: P9.2 U2.5 | length 1737.1
  Top Layer w6: v1(3325,2702.56) 3325,2688 3337,2700 3463,2700 3515,2752 3568.94,2752 3601,2719.94 3601,2693 3600.63,2692.63 U2.5
  Bottom Layer w6: P9.2 2500,2930.15 2500,2773 2764,2509 3292,2509 3325,2542 v1(3325,2702.56)
N/O: P9.1 U2.4 | length 1879
  Top Layer w6: v1(3370,2650) 3450,2650 3531,2731 3563,2731 3580.94,2713.06 U2.4
  Bottom Layer w6: P9.1 2355,3015.15 2355,2845 2730,2470 3287,2470 3370,2553 v1(3370,2650)
NetC30_1: C30.1 U4.14 | length 281.2
  Bottom Layer w6: U4.14@4561.25,3995 4795.64,3995 4828.11,4027.47 C30.1
NetC30_2: C30.2 U4.13 | length 243.1
  Bottom Layer w6: U4.13@4561.25,4018.39 U4.13 4621.46,4018.39 4631.45,4008.39 4699.38,4008.39 4709.38,4018.39 4780.31,4018.39 4790.32,4028.39 C30.2
NetC31_1: C31.1 U4.12 | length 310.5
  Bottom Layer w6: U4.12@4561.25,4043.97 U4.12 4612.84,4043.97 4636.42,4020.39 4694.41,4020.39 4798.11,4124.08 C31.1@4798.11,4145
NetC34_1: C34.1 U5.14 | length 243.4
  Bottom Layer w6: U5.14 3712.2,3997.8 3730,3980 3854.03,3980 3898.11,4024.08 C34.1
NetC34_2: C34.2 U5.13 | length 197.4
  Bottom Layer w6: U5.13 3715.59,4023.39 3735,4003.98 3840.87,4003.98 C34.2
NetC35_1: C35.1 U5.12 | length 317.3
  Bottom Layer w6: U5.12@3680.61,4048.97 U5.12 3714.05,4048.97 3747.05,4015.98 3790.74,4015.98 3898.11,4123.35 C35.1
NetC38_1: C38.1 U6.14 | length 226.9
  Bottom Layer w6: U6.14 2964.69,4002.8 C38.1
NetC38_2: C38.2 U6.13 | length 277.9
  Bottom Layer w6: U6.13 2933.39,4028.39 2965,4060 2999.03,4060 3028.11,4030.92 C38.2
NetC39_1: C39.1 U6.12 | length 310.7
  Bottom Layer w6: U6.12 2831.42,4053.98 2843.83,4041.57 2900.59,4041.57 3028.11,4169.08 C39.1
NetD1_1: D1.1 R13.1 | length 112.1
  Top Layer w6: D1.1 4475,2439.57 R13.1
NetD2_1: D2.1 R14.1 | length 284.4
  Top Layer w6: R14.1 3803.28,2169 3872.6,2169 3929.6,2112 D2.1
NetR6_1: R6.1 U3.16 | length 162.1
  Top Layer w6: R6.1 4116.61,2563.39 U3.16
NetR7_1: R7.1 U3.4 | length 190.5
  Top Layer w6: R7.1 3958.9,2311.61 U3.4
NetR8_2: R8.2 U3.7 | length 236.5
  Top Layer w6: U3.7 4167.8,2154.92 R8.2
NetR9_2: R9.2 U3.6 | length 207.5
  Top Layer w6: R9.2 4142.2,2084.92 U3.6
nFLT_A: R15.1 U2.21 U4.4 | length 2996.6
  Top Layer w6: U2.21 3924.13,2821.61 3969.26,2776.48 4000.74,2776.48 4035,2810.74 4035,3045 v1(4008,3072) ; v1@3956,3155 3998,3197 3998,3848 v1@4095,3945
  Bottom Layer w6: v1@3955,3156 3956,3155 3956,3116.26 3991.13,3081.13 3993.63,3078.63 3987,3072 v1(4008,3072) ; v1(4110,3955) v1@4110,3945 ; R15.1 4144.01,3974.01 4115,3945 v1@4110,3945 ; U4.4@4328.75,4018.39 4278.39,4018.39 4150,3890 4086.32,3890 3990,3986.32 3990,4270 4054.24,4334.24 4155.85,4334.24 4161.12,4328.97 4161.12,4146.86 4153.29,4139.03 4119.26,4105 4109.32,4105 4109.17,4105.16 4055.59,4105.16 4016.24,4065.8 4016.24,3994.02 4065.13,3945.13 4096.61,3945.13 4096.74,3945 v1@4110,3945
  other v1: 3958.9,3170
nFLT_B: R19.2 U2.23 U5.4 | length 1876
  Top Layer w6: U2.23 3890,2860 3998,2860 4022,2884 4022,3004.26 3970,3056.26 3970,3087.74 3992.26,3110 v1(4105,3110)
  Bottom Layer w6: R19.2 3478.74,4025 3670,3833.74 3677.02,3826.72 4105,3398.74 v1(4105,3110)
nFLT_C: R23.2 U2.46 U6.4 | length 1883.3
  Top Layer w6: v1(3460,3435) 3460,3401.26 3605,3256.26 3605,3173.84 3561.26,3130.1 U2.46
  Bottom Layer w6: R23.2 2391.61,4028.39 U6.4 2543.75,4018.8 2575.23,4018.8 2592.5,4001.52 2592.5,3894.47 3149.97,3337 3296,3337 3394,3435 v1(3460,3435)
nSLEEP_A: U2.20 U4.3 | length 1569.6
  Top Layer w6: U2.20 3893.8,2797.15 3913.89,2797.15 3946.56,2764.48 4089.48,2764.48 v1(4095,2770)
  Bottom Layer w6: v1(4095,2770) 4183.78,2858.78 4183.78,2910.93 4176.79,2917.92 4176.79,3875.74 4293.85,3992.8 U4.3@4328.75,3992.8
nSLEEP_B: U2.22 U5.3 | length 1763.4
  Top Layer w6: U2.22 3948.67,2841.3 3975.49,2814.48 v1(3985,2814.48)
  Bottom Layer w6: U5.3 3487.2,3997.8 3521,3964 3521,3584 3536,3569 3624.26,3569 3664.74,3528.52 3745.22,3528.52 4067,3206.74 4067,3094.26 4141.29,3019.97 4141.29,2970.77 v1(3985,2814.48)
nSLEEP_C: U2.45 U6.3 | length 1699.7
  Top Layer w6: v1(3475,3325) 3475,3308 3506,3277 3506,3211.71 3490,3195.71 3490,3154.29 3506,3138.29 3506,3081 3517,3070 3575,3070 3580.94,3075.94 U2.45
  Bottom Layer w6: U6.3 2543.75,3993.21 2575.23,3993.21 2580.5,3987.93 2580.5,3859.5 3140,3300 3142,3302 3370.74,3302 3393.74,3325 v1(3475,3325)
OSC0: C18.2 U2.40 X1.1 | length 676.9
  Top Layer w6: U2.40 v1(3679.37,3567.63)
  Bottom Layer w6: X1.1 3642,3605 ; v1(3679.37,3567.63) 3642,3605 ; C18.2 3642,3605
OSC1: C19.2 U2.41 X1.3 | length 629.5
  Top Layer w6: v1(3525,3450) 3628.74,3450 3663,3415.74 3663,3113.31 U2.41
  Bottom Layer w6: C19.2 3463.11,3519 3550,3519 X1.3 3525,3493.39 v1(3525,3450)
OUT1_A: P2.1 U4.8 | length 292.3
  Bottom Layer w20: U4.8@4341.84,4122.66 4390,4170.82 P2.1
OUT1_B: P3.1 U5.8 | length 285.5
  Bottom Layer w20: U5.8@3465.86,4125.7 3505,4164.84 P3.1
OUT1_C: P4.1 U6.8 | length 306.9
  Bottom Layer w20: U6.8 2535,4139.5 2535,4207.01 2605,4277.01 P4.1
OUT2_A: P2.2 U4.10 | length 358.7
  Bottom Layer w20: P2.2 4490,4116.23 4511.08,4095.16 U4.10@4561.25,4095.16
OUT2_B: P3.2 U5.10 | length 360.1
  Bottom Layer w20: P3.2 3605,4118.98 3623.82,4100.15 U5.10
OUT2_C: P4.2 U6.10 | length 352.2
  Bottom Layer w20: P4.2 2705,4137.41 2737.26,4105.16 U6.10
RESET: C27.2 R3.2 U2.38 | length 2168.5
  Top Layer w6: U2.38 3718.74,3518.74 3745,3545 v1(3785,3545) ; C27.2@3866,3464.5 C27.2 3866.5,3503.5 v1(3905,3542) ; v1(4050,3400) 4050,3263.29 4627.28,2686.01 4627.28,2414.72 R3.2
  Bottom Layer w6: v1(3785,3545) 3902,3545 v1(3905,3542) 3905,3539.48 4044.48,3400 v1(4050,3400)
SHIELD: C2.2 R1.2 USB1.5 USB1.6 | length 846.7
  Top Layer w6: C2.2 R1.2 3130,1897.36 USB1.6 USB1.5
TCK: P1.2 R2.2 U2.52 | length 991.5
  Top Layer w6: R2.2 v1(2870,3325) ; P1.2 3145,3080 3145,2950 v1(3150,2945) ; v1(3325,2945) 3387.12,2945 3416.43,2974.32 3445.26,2974.32 U2.52
  Bottom Layer w6: v1(2870,3325) 2897.9,3325 3057.9,3165 P1.2 ; v1(3150,2945) v1(3325,2945)
TDI: P1.4 U2.50 | length 440.8
  Top Layer w6: v1(3320,3103) 3404.54,3018.46 U2.50
  Bottom Layer w6: P1.4 3154,3065 3192,3103 v1(3320,3103)
TDO: P1.3 U2.49 | length 483.3
  Top Layer w6: v1(3320,3170) 3320,3160 3441.85,3038.15 U2.49
  Bottom Layer w6: P1.3 3265,3115 v1(3320,3170) v1@3320,3160
TMS: P1.5 U2.51 | length 447.5
  Top Layer w6: v1(3325,3040) 3325,3030 3356.22,2998.78 U2.51
  Bottom Layer w6: P1.5 3280,3015 3300,3035 3310,3035 3325,3020 v1(3325,3040)
"USB RX LED": D2.2 U3.5 | length 256.8
  Top Layer w6: D2.2 4016.22,2130.61 4116.61,2231 U3.5
"USB TX LED": D1.2 U3.11 | length 158.9
  Top Layer w6: U3.11 4263.8,2362.8 4264,2363 4388.38,2363 D1.2
USB_RX: R4.1 U2.17 U3.15 | length 1521
  Top Layer w6: U2.17 3856,2742.87 3817,2781.87 3817,3022.86 3850.25,3056.11 3850.25,3095.61 3880.14,3125.5 4066.76,3125.5 4089.26,3148 4120.74,3148 4240,3028.74 4240,2620.43 R4.1 4142.2,2522.64 U3.15
USB_TX: R5.1 U2.18 U3.2 | length 655.6
  Top Layer w6: U2.18 3909.11,2762.56 4015,2656.67 4015,2505 R5.1 3947.2,2362.8 U3.2
VBUS: C1.1 C3.2 L1.1 USB1.1 | length 758.3
  Top Layer w10: C1.1 L1.1 2992.44,2232.44 3020,2260 3040.97,2260 3049.08,2268.11 C3.2 3443.07,2268.11 3513.43,2197.75 USB1.1
VCORE: C24.2 C25.2 C26.2 U2.25 U2.56 | length 3301.9
  Top Layer w6: C24.2 2925,2685 2903.11,2706.89 C25.2 C26.2 2972.52,2969.48 3041.65,2900.35 v1(3060,2900.35) ; v1(3372,2799.96) 3372,2842.41 3429.94,2900.35 U2.56 ; U2.25 3893.79,2895.58 3913.89,2895.58 3937.47,2872 3988.49,2872 4010,2893.51 4010,2995.74 3948.74,3057 3925,3057 3905,3077 v1(3905,3087.5)
  Bottom Layer w6: v1(3060,2900.35) 3060,2920 3129,2989 3344,2989 3372,2961 v1(3372,2799.96) 3454.54,2799.96 3495,2759.49 3495,2653.74 3553,2595.74 3553,2508.26 3584.26,2477 3620.25,2477 3645,2501.75 3645,2518.19 3669.73,2542.93 3765.96,2542.93 3783.03,2560 3813.74,2560 3838,2584.26 3838,2615.74 3815.74,2638 3771.88,2638 3700.81,2566.93 3599.33,2566.93 3577,2589.26 3577,2620.74 3599.26,2643 3600,2643 3613,2656 3613,2791 3905,3083 v1(3905,3087.5)
VREF_A: R17.2 R18.1 U4.5 | length 848.3
  Bottom Layer w6: R18.1 R17.2 4141.29,4144 4115.61,4118.31 4036.31,4118.31 4004.24,4086.24 4004.24,3989.05 4091.29,3902 4138.18,3902 4280.86,4044.68 U4.5@4328.75,4044.68
VREF_B: R21.2 R22.1 U5.5 | length 366.1
  Bottom Layer w6: R22.1 3294,4314.57 3294,4222.89 3293.11,4222 R21.2 3349,4113.68 3349,4093.18 3393.2,4048.97 U5.5
VREF_C: R25.2 R26.1 U6.5 | length 360.4
  Bottom Layer w6: R26.1 R25.2 2382.72,4167.75 2496.49,4053.98 U6.5
pads on no net: U2.9 U2.24 U2.28 U2.29 U2.30 U2.31 U2.33 U2.36 U2.43 U2.44 U2.53 U2.57 U2.58 U2.59 U2.60 U2.62 U2.63 U2.64 U3.12 U3.14

## Polygon pours and split planes (outlines as drawn)
+3.3V on Top Layer "3.3V Corner" (solid, remove dead copper, pour order 18): 5275,2015 5750,2015 5750,1795 5755,1790 5275,1790
+3.3V on Top Layer "3.3V Main" (solid, remove dead copper, pour order 16): 2540,3265 4895,3265 5290,2870 5290,1790 2540,1790
+5V on Top Layer "5V" (solid, remove dead copper, pour order 14): 4945,4575 5750,4575 5750,2030.32 5310,2030.32 5310,2907.82 4945,3272.82
+24V on Top Layer "24V" (solid, remove dead copper, pour order 12): 2245,4590 4685,4590 4685,3912.71 4248.12,3475.83 2245,3475.83
GND on Bottom Layer "GND" (solid, remove dead copper, pour order 4): 2225,4590 5760,4590 5760,1795 2225,1795

## Other copper
Top Layer:
  pour cut-out: 1835,3095
  pour cut-out: 2015,2852.5
  pour cut-out: 2065,3195
Bottom Layer:
  pour cut-out: 2005,2787.29
  pour cut-out: 2015,1530

## Dimensions
2185,1585 to 5805,1585 on Top Layer
2185,4735 to 2185,1585 on Top Layer

## Text inside footprints (layer, text, board x,y; h text height)
C1: Top Overlay "+" at 2883.46,2153.46 h70 r90
U4: Mechanical 13 "*" at 4374,3983.68 h50 r180; Bottom Overlay "*" at 4321.25,3932.61 h50 r180
U5: Mechanical 13 "*" at 3479,3988.68 h50 r180; Bottom Overlay "*" at 3426.25,3937.61 h50 r180
U6: Mechanical 13 "*" at 2574,3993.68 h50 r180; Bottom Overlay "*" at 2521.25,3942.61 h50 r180
U7: Mechanical 13 "*" at 5015.5,3538 h50 r180; Bottom Overlay "*" at 5015.5,3538 h50 r180
U8: Mechanical 13 "*" at 5010.5,4233 h50 r180; Bottom Overlay "*" at 5010.5,4233 h50 r180